# Altium PCB ControlBoard.PcbDoc (part 2 of 3)
Units mm, origin at the board's own origin, x right, y up, seen from the top; angles counter-clockwise.
Board outline 70 x 83 mm, 6 copper layers (Top, GNDT, VDD, Inn, GNDB, Bot), stack 1.629 mm thick; 293 components, 226 nets, 1120 pads, 500 vias.
Unrouted connection lines stored in the file: 43.
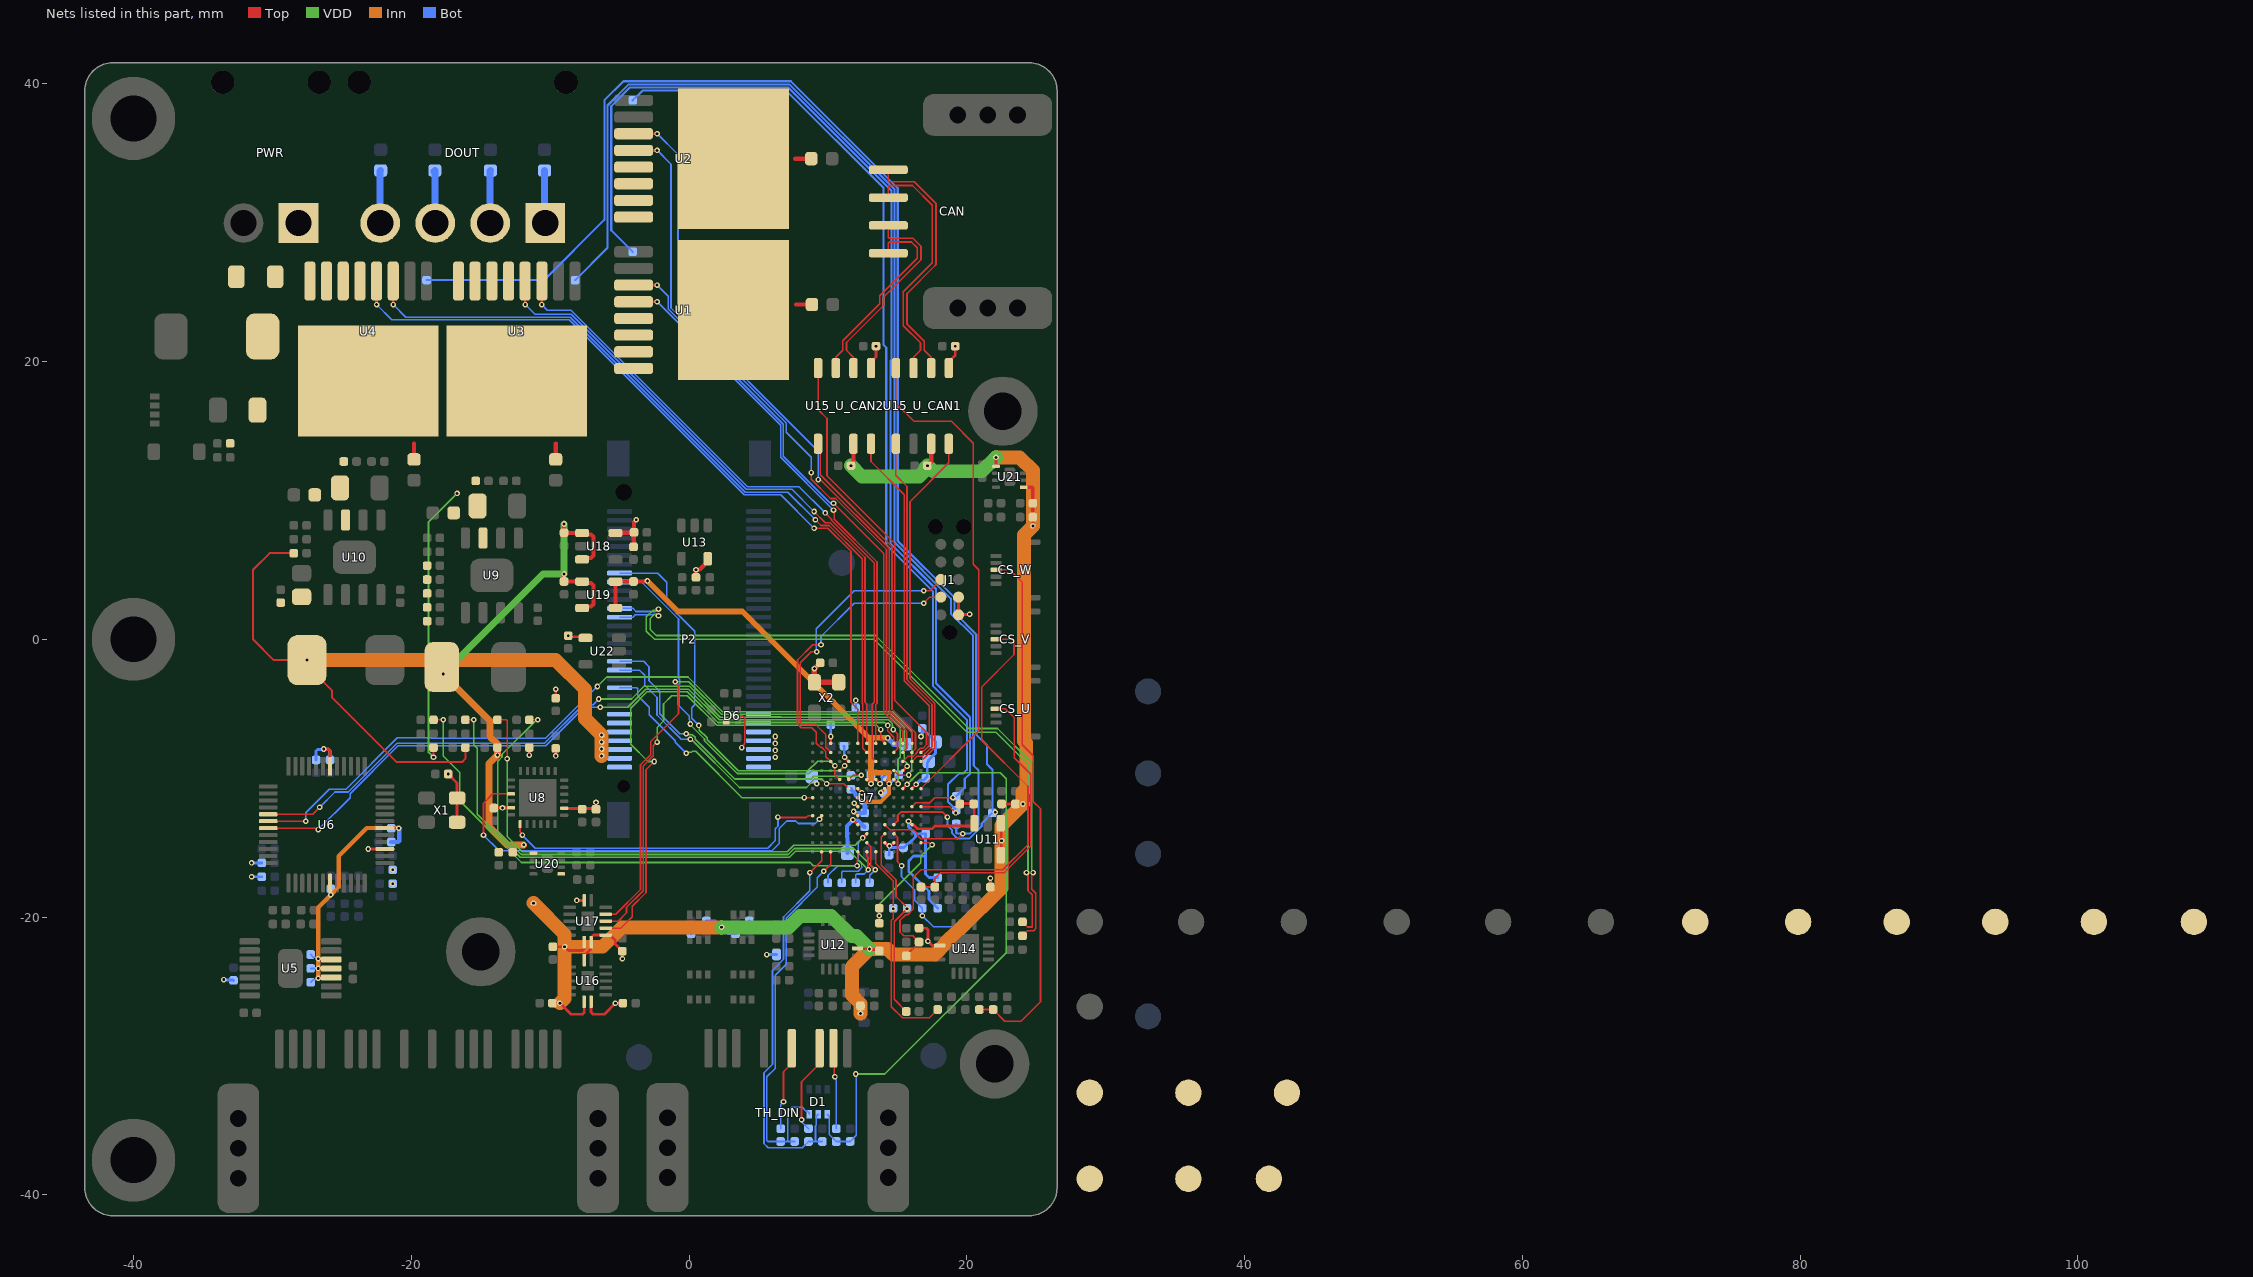
[diagram p6: the nets of this part, all layers, seen from the top]

## Part data (continued)
R8 R10 R12 R14 R51 R59 R89 R92 R95 R98: library part RES0402-2k-1%, "Res Thick Film 0402 2K Ohm 1% 1/16W 100ppm/C Molded SMD SMD Paper T/R", Case/Package=0402, Manufacturer=Vishay, Manufacturer Part Number=CRCW04022K00FKEE, Max Operating Temperature=155°C, Max Power Dissipation=63mW, Min Operating Temperature=-55°C, Supplier Part Number=541-CRCW04022K00FKEECT-ND, Temperature Coefficient=100ppm/°C, Tolerance=1%, Voltage Rating=50V, Category="Chip SMD Resistors", China RoHS=Non-Compliant, ComponentLink1Description=https://datasheet.octopart.com:443/CRCW04022K00FKEE-Vishay-datasheet-175423584.pdf?src-supplier=IHS, ComponentLink1URL=https://datasheet.octopart.com:443/CRCW04022K00FKEE-Vishay-datasheet-175423584.pdf?src-supplier=IHS, ComponentLink2Description=https://datasheet.octopart.com/D-CRCW-e3-Standard-Thick-Film-Chip-Resistors-Vishay-datasheet-family-64.pdf, ComponentLink2URL=https://datasheet.octopart.com/D-CRCW-e3-Standard-Thick-Film-Chip-Resistors-Vishay-datasheet-family-64.pdf, ComponentLink3Description=http://sigma.octopart.com:80/rohs_certificate/D-CRCW-e3-Standard-Thick-Film-Chip-Resistors-Vishay-family-102.pdf?src-supplier=Compliance+Statements, ComponentLink3URL=http://sigma.octopart.com:80/rohs_certificate/D-CRCW-e3-Standard-Thick-Film-Chip-Resistors-Vishay-family-102.pdf?src-supplier=Compliance+Statements, Composition="Thick Film", Contact Plating=Tin, Features="Automotive AEC-Q200", Height=350µm, Lead Free="Lead Free", Length=990.6µm, Lifecycle Status=Production, Mounting Technology="Surface Mount", Number of Terminals=2, Number of Terminations=2, Packaging="Tape & Reel", Power Dissipation=63mW, Power Rating=63mW, Pricing="1=0,1, 10=0,03, 25=0,0224, 50=0,018, 100=0,0148, 250=0,01156, 500=0,01056, 1000=0,0084, 5000=0,00637 (USD)", Radiation Hardening=No, REACH SVHC=Yes, Resistance=2kΩ, RoHS=Compliant, Stock=10445, Supplier=DigiKey, Supplier 1=DigiKey, Supplier Part Number 1=541-CRCW04022K00FKEECT-ND, Width=500µm, Working Voltage=50V
R17 R22 R23 R24 R25 R26 R27 R28 R29: library part RES0402-0-1%, "Zero Ohm Resistor, Jumper, 0402 [1005 Metric], Thick Film, 63 mW, 1 A, Surface Mount Device", Case/Package=0402, Manufacturer="Yageo Group", Manufacturer Part Number=RC0402JR-100RL, Max Operating Temperature=155°C, Min Operating Temperature=-55°C, Power Dissipation=62.5mW, Supplier Part Number=13-RC0402JR-100RLCT-ND, Tolerance=5%, Category="Chip SMD Resistors", China RoHS=Non-Compliant, ComponentLink1Description=https://datasheet.octopart.com:443/RC0402JR-100RL-Yageo-datasheet-182189538.pdf?src-supplier=IHS, ComponentLink1URL=https://datasheet.octopart.com:443/RC0402JR-100RL-Yageo-datasheet-182189538.pdf?src-supplier=IHS, ComponentLink2Description=https://datasheet.octopart.com:443/RC0402JR-100RL-Yageo-datasheet-164759695.pdf?src-supplier=Future+Electronics, ComponentLink2URL=https://datasheet.octopart.com:443/RC0402JR-100RL-Yageo-datasheet-164759695.pdf?src-supplier=Future+Electronics, ComponentLink3Description=https://datasheet.octopart.com:443/RC0402JR-100RL-Yageo-datasheet-141265859.pdf?src-supplier=Future+Electronics, ComponentLink3URL=https://datasheet.octopart.com:443/RC0402JR-100RL-Yageo-datasheet-141265859.pdf?src-supplier=Future+Electronics, ComponentLink4Description=https://datasheet.octopart.com:443/RC0402JR-100RL-Yageo-datasheet-148775077.pdf?src-supplier=element14+APAC, ComponentLink4URL=https://datasheet.octopart.com:443/RC0402JR-100RL-Yageo-datasheet-148775077.pdf?src-supplier=element14+APAC, ComponentLink5Description=https://datasheet.octopart.com/RC0402JR-100RL-Yageo-datasheet-73766026.pdf, ComponentLink5URL=https://datasheet.octopart.com/RC0402JR-100RL-Yageo-datasheet-73766026.pdf, ComponentLink6Description=http://sigma.octopart.com:80/rohs_statement/Yageo-company-2.pdf?src-supplier=Compliance+Statements, ComponentLink6URL=http://sigma.octopart.com:80/rohs_statement/Yageo-company-2.pdf?src-supplier=Compliance+Statements, ComponentLink7Description=http://sigma.octopart.com:80/conflict_mineral_statement/Yageo-company-3.pdf?src-supplier=Compliance+Statements, ComponentLink7URL=http://sigma.octopart.com:80/conflict_mineral_statement/Yageo-company-3.pdf?src-supplier=Compliance+Statements, Composition="Thick Film", Depth=500µm, Height=350µm, Length=1mm, Lifecycle Status=Production, Military Standard=Not, Mounting Technology="Surface Mount", Number of Terminals=2, Pricing="1=0,1, 10=0,007, 25=0,0052, 50=0,003, 100=0,0028 (USD)", REACH SVHC=Yes, Resistance=0Ω, RoHS=Compliant, Stock=16047, Supplier=DigiKey, Supplier 1=DigiKey, Supplier Part Number 1=13-RC0402JR-100RLCT-ND, Width=500µm
R20 R34 R35 R42 R48 R50 R52 R53 R54 R55 R56 R57 R60 R61 R62 R63 R64 R67 R68 R74 R75 R81 R82 R94 R97 R100 R102 R103 R104: library part RES0402-10k-1%, "Res Thick Film 0402 10K Ohm 1% 0.063W(1/16W) ±100ppm/C Pad SMD T/R Automotive AEC-Q200", Case Code (Imperial)=0402, Case Code (Metric)=1005, Manufacturer=Vishay, Manufacturer Part Number=CRCW040210K0FKEE, Max Operating Temperature=155°C, Max Power Dissipation=63mW, Min Operating Temperature=-55°C, Supplier Part Number=541-2954-1-ND, Temperature Coefficient=100ppm/°C, Tolerance=1%, Voltage Rating=50V, Case/Package=0402, Category="Chip SMD Resistors", China RoHS=Non-Compliant, ComponentLink1Description=https://datasheet.octopart.com:443/CRCW040210K0FKEE-Vishay-datasheet-175423584.pdf?src-supplier=IHS, ComponentLink1URL=https://datasheet.octopart.com:443/CRCW040210K0FKEE-Vishay-datasheet-175423584.pdf?src-supplier=IHS, ComponentLink2Description=https://datasheet.octopart.com:443/CRCW040210K0FKEE-Vishay-datasheet-62316122.pdf?src-supplier=Future+Electronics, ComponentLink2URL=https://datasheet.octopart.com:443/CRCW040210K0FKEE-Vishay-datasheet-62316122.pdf?src-supplier=Future+Electronics, ComponentLink3Description=http://sigma.octopart.com:80/rohs_statement/Vishay-company-15.pdf?src-supplier=Compliance+Statements, ComponentLink3URL=http://sigma.octopart.com:80/rohs_statement/Vishay-company-15.pdf?src-supplier=Compliance+Statements, Composition="Thick Film", Contact Plating=Tin, Depth=500µm, Features="Automotive AEC-Q200", Height=350µm, Lead Free="Lead Free", Length=990.6µm, Lifecycle Status=Production, Military Standard=Not, Mounting Technology="Surface Mount", Number of Terminals=2, Number of Terminations=2, Packaging="Tape & Reel", Power Dissipation=63mW, Power Rating=63mW, Pricing="1=0,1, 10=0,03, 25=0,0224, 50=0,018, 100=0,0148, 250=0,01156, 500=0,00974, 1000=0,00832, 5000=0,00637 (USD)", Radiation Hardening=No, REACH SVHC=Yes, Resistance=10kΩ, RoHS=Compliant, Schedule B="8533210045, 8533210045|8533210045|8533210045|8533210045|8533210045|8533210045|8533210045|8533210045|8533210045|8533210045|8533210045|8533210045|8533210045|8533210045|8533210045|8533210045|8533210045|8533210045|8533210045|8533210045|8533210045|8533210045|8533210045|85", Supplier=DigiKey, Supplier 1=DigiKey, Supplier Part Number 1=541-2954-1-ND, Voltage Rating (DC)=50V, Width=500µm, Working Voltage=50V
R38 R45 R58 R72 R79 R86: library part RES0402-100k-1%, "Res Thick Film 0402 100K Ohm 1% 0.063W(1/16W) ±100ppm/C Molded SMD Automotive Paper T/R", Case/Package=0402, Manufacturer=Vishay, Manufacturer Part Number=CRCW0402100KFKEE, Max Operating Temperature=155°C, Max Power Dissipation=63mW, Min Operating Temperature=-55°C, Supplier Part Number=541-CRCW0402100KFKEECT-ND, Temperature Coefficient=100ppm/°C, Tolerance=1%, Voltage Rating=50V, Category="Chip SMD Resistors", China RoHS=Non-Compliant, ComponentLink1Description=https://datasheet.octopart.com:443/CRCW0402100KFKEE-Vishay-datasheet-175423584.pdf?src-supplier=IHS, ComponentLink1URL=https://datasheet.octopart.com:443/CRCW0402100KFKEE-Vishay-datasheet-175423584.pdf?src-supplier=IHS, ComponentLink2Description=https://datasheet.octopart.com:443/CRCW0402100KFKEE-Vishay-datasheet-190005712.pdf?src-supplier=TME, ComponentLink2URL=https://datasheet.octopart.com:443/CRCW0402100KFKEE-Vishay-datasheet-190005712.pdf?src-supplier=TME, ComponentLink3Description=https://datasheet.octopart.com:443/CRCW0402100KFKEE-Vishay-datasheet-62316122.pdf?src-supplier=Future+Electronics, ComponentLink3URL=https://datasheet.octopart.com:443/CRCW0402100KFKEE-Vishay-datasheet-62316122.pdf?src-supplier=Future+Electronics, ComponentLink4Description=https://datasheet.octopart.com/D-CRCW-e3-Standard-Thick-Film-Chip-Resistors-Vishay-datasheet-family-64.pdf, ComponentLink4URL=https://datasheet.octopart.com/D-CRCW-e3-Standard-Thick-Film-Chip-Resistors-Vishay-datasheet-family-64.pdf, ComponentLink5Description=http://sigma.octopart.com:80/rohs_certificate/D-CRCW-e3-Standard-Thick-Film-Chip-Resistors-Vishay-family-102.pdf?src-supplier=Compliance+Statements, ComponentLink5URL=http://sigma.octopart.com:80/rohs_certificate/D-CRCW-e3-Standard-Thick-Film-Chip-Resistors-Vishay-family-102.pdf?src-supplier=Compliance+Statements, Composition="Thick Film", Contact Plating=Tin, Depth=500µm, Features="Automotive AEC-Q200", Height=350µm, Lead Free="Lead Free", Length=990.6µm, Lifecycle Status=Production, Military Standard=Not, Mounting Technology="Surface Mount", Number of Terminals=2, Number of Terminations=2, Packaging="Tape & Reel", Power Dissipation=63mW, Power Rating=63mW, Pricing="1=0,1, 10=0,03, 25=0,0224, 50=0,018, 100=0,0148, 250=0,01156, 500=0,00974, 1000=0,00832, 5000=0,00606 (USD)", Radiation Hardening=No, REACH SVHC=Yes, Resistance=100kΩ, RoHS=Compliant, Schedule B="8533210045, 8533210045|8533210045|8533210045|8533210045|8533210045|8533210045|8533210045|8533210045|8533210045|8533210045|8533210045|8533210045|8533210045|8533210045|8533210045|8533210045|8533210045|8533210045|8533210045|8533210045|8533210045|8533210045|8533210045|85", Stock=14497, Supplier=DigiKey, Supplier 1=DigiKey, Supplier Part Number 1=541-CRCW0402100KFKEECT-ND, Voltage Rating (DC)=50V, Width=500µm, Working Voltage=50V
R39: library part RES0402-64.9k-1%, "Res Thick Film 0402 64.9K Ohm 1% 0.1W(1/10W) ±100ppm/C Pad SMD T/R Automotive AEC-Q200", Case Code (Imperial)=0402, Case Code (Metric)=1005, Manufacturer="KOA Speer", Manufacturer Part Number=RK73H1ETTP6492F, Max Operating Temperature=155°C, Min Operating Temperature=-55°C, Power Dissipation=100mW, Power Rating=63mW, Supplier Part Number=2019-RK73H1ETTP6492FCT-ND, Temperature Coefficient=100ppm/°C, Tolerance=1%, Voltage Rating=50V, Working Voltage=75V, Case/Package=0402, Category="Chip SMD Resistors", China RoHS=Non-Compliant, ComponentLink1Description=https://datasheet.octopart.com:443/RK73H1ETTP6492F-KOA-Speer-datasheet-181956035.pdf?src-supplier=IHS, ComponentLink1URL=https://datasheet.octopart.com:443/RK73H1ETTP6492F-KOA-Speer-datasheet-181956035.pdf?src-supplier=IHS, ComponentLink2Description=https://datasheet.octopart.com:443/RK73H1ETTP6492F-KOA-Speer-datasheet-11590619.pdf?src-supplier=Upverter, ComponentLink2URL=https://datasheet.octopart.com:443/RK73H1ETTP6492F-KOA-Speer-datasheet-11590619.pdf?src-supplier=Upverter, ComponentLink3Description=https://datasheet.octopart.com:443/RK73H1ETTP6492F-KOA-Speer-datasheet-149653815.pdf?src-supplier=element14+APAC, ComponentLink3URL=https://datasheet.octopart.com:443/RK73H1ETTP6492F-KOA-Speer-datasheet-149653815.pdf?src-supplier=element14+APAC, ComponentLink4Description=https://datasheet.octopart.com/RK73H-%7C-Flat-Chip-Resistors-%28Precision-Grade%29-KOA-Speer-datasheet-family-85.pdf, ComponentLink4URL=https://datasheet.octopart.com/RK73H-%7C-Flat-Chip-Resistors-%28Precision-Grade%29-KOA-Speer-datasheet-family-85.pdf, ComponentLink5Description=https://datasheet.octopart.com:443/RK73H1ETTP6492F-KOA-Speer-datasheet-5377299.pdf?src-supplier=Garrett, ComponentLink5URL=https://datasheet.octopart.com:443/RK73H1ETTP6492F-KOA-Speer-datasheet-5377299.pdf?src-supplier=Garrett, ComponentLink6Description=https://datasheet.octopart.com:443/RK73H1ETTP6492F-KOA-Speer-datasheet-148194.pdf?src-supplier=Garrett, ComponentLink6URL=https://datasheet.octopart.com:443/RK73H1ETTP6492F-KOA-Speer-datasheet-148194.pdf?src-supplier=Garrett, ComponentLink7Description=https://datasheet.octopart.com:443/RK73H1ETTP6492F-KOA-Speer-datasheet-109211.pdf?src-supplier=Garrett, ComponentLink7URL=https://datasheet.octopart.com:443/RK73H1ETTP6492F-KOA-Speer-datasheet-109211.pdf?src-supplier=Garrett, ComponentLink8Description=http://sigma.octopart.com:80/rohs_certificate/RK73H-%7C-Flat-Chip-Resistors-%28Precision-Grade%29-KOA-Speer-family-91.pdf?src-supplier=Compliance+Statements, ComponentLink8URL=http://sigma.octopart.com:80/rohs_certificate/RK73H-%7C-Flat-Chip-Resistors-%28Precision-Grade%29-KOA-Speer-family-91.pdf?src-supplier=Compliance+Statements, Composition="Thick Film", Depth=500µm, Height=350µm, Lead Free="Lead Free", Length=1mm, Lifecycle Status=Production, Military Standard=Not, Mounting Technology="Surface Mount", Number of Terminals=2, Pricing="1=0,1, 10=0,027, 25=0,0196, 50=0,0158, 100=0,0129, 250=0,01004, 500=0,0084, 1000=0,00713, 5000=0,00544 (USD)", REACH SVHC=Yes, Resistance=64.9kΩ, RoHS=Compliant, Schedule B="8533210045, 8533210045|8533210045|8533210045|8533210045|8533210045", Stock=44078, Supplier=DigiKey, Supplier 1=DigiKey, Supplier Part Number 1=2019-RK73H1ETTP6492FCT-ND, Termination=SMD/SMT, Voltage Rating (DC)=50V, Width=500µm
R41: library part RES0402-24.9k-1%, "Res Thick Film 0402 24.9K Ohm 1% 0.063W(1/16W) ±100ppm/C Pad SMD T/R", Case Code (Imperial)=0402, Case Code (Metric)=1005, Manufacturer=Bourns, Manufacturer Part Number=CR0402-FX-2492GLF, Max Operating Temperature=155°C, Min Operating Temperature=-55°C, Power Dissipation=62.5mW, Supplier Part Number=CR0402-FX-2492GLFCT-ND, Temperature Coefficient=100ppm/°C, Tolerance=1%, Voltage Rating=50V, Case/Package=0402, Category="Chip SMD Resistors", China RoHS=Non-Compliant, ComponentLink1Description=https://datasheet.octopart.com:443/CR0402-FX-2492GLF-Bourns-datasheet-159578630.pdf?src-supplier=IHS, ComponentLink1URL=https://datasheet.octopart.com:443/CR0402-FX-2492GLF-Bourns-datasheet-159578630.pdf?src-supplier=IHS, ComponentLink2Description=https://datasheet.octopart.com:443/CR0402-FX-2492GLF-Bourns-datasheet-181955239.pdf?src-supplier=IHS, ComponentLink2URL=https://datasheet.octopart.com:443/CR0402-FX-2492GLF-Bourns-datasheet-181955239.pdf?src-supplier=IHS, ComponentLink3Description=https://datasheet.octopart.com:443/CR0402-FX-2492GLF-Bourns-datasheet-154729663.pdf?src-supplier=Electro+Sonic, ComponentLink3URL=https://datasheet.octopart.com:443/CR0402-FX-2492GLF-Bourns-datasheet-154729663.pdf?src-supplier=Electro+Sonic, ComponentLink4Description=https://datasheet.octopart.com/CR0402-FX-2492GLF-Bourns-datasheet-8723995.pdf, ComponentLink4URL=https://datasheet.octopart.com/CR0402-FX-2492GLF-Bourns-datasheet-8723995.pdf, ComponentLink5Description=https://datasheet.octopart.com:443/CR0402-FX-2492GLF-Bourns-datasheet-140567134.pdf?src-supplier=Arrow.cn, ComponentLink5URL=https://datasheet.octopart.com:443/CR0402-FX-2492GLF-Bourns-datasheet-140567134.pdf?src-supplier=Arrow.cn, ComponentLink6Description=http://sigma.octopart.com:80/conflict_mineral_statement/Bourns-company-36.pdf?src-supplier=Compliance+Statements, ComponentLink6URL=http://sigma.octopart.com:80/conflict_mineral_statement/Bourns-company-36.pdf?src-supplier=Compliance+Statements, Composition="Thick Film", Contact Plating=Tin, Depth=500µm, Height=320µm, Lifecycle Status=Production, Military Standard=Not, Mounting Technology="Surface Mount", Number of Terminals=2, Power Rating=62.5mW, Pricing="1=0,1, 10=0,014, 25=0,010, 50=0,0058, 100=0,0041, 250=0,00272, 5000=0,00211 (USD)", Radiation Hardening=No, REACH SVHC=Yes, Resistance=24.9kΩ, RoHS=Compliant, Schedule B="8533210045, 8533210045|8533210045|8533210045|8533210045|8533210045", Stock=1453, Supplier=DigiKey, Supplier 1=DigiKey, Supplier Part Number 1=CR0402-FX-2492GLFCT-ND, Termination=SMD/SMT, Width=500µm, Working Voltage=50V
R46 R110: library part RES0402-52.3k-1%, "Fixed Resistor, Metal Glaze/thick Film, 0.1W, 52300ohm, 75V, 0.5% +/-Tol, 100ppm/Cel, Surface Mount, 0402", Case/Package=0402, Manufacturer="KOA Speer", Manufacturer Part Number=RK73H1ETTP5232D, Max Operating Temperature=155°C, Min Operating Temperature=-55°C, Power Dissipation=100mW, Supplier Part Number=2019-RK73H1ETTP5232DTR-ND, Temperature Coefficient=100ppm/°C, Tolerance=0.5%, Voltage Rating=75V, Category="Chip SMD Resistors", China RoHS=Non-Compliant, ComponentLink1Description=https://datasheet.octopart.com:443/RK73H1ETTP5232D-KOA-Speer-datasheet-181956035.pdf?src-supplier=IHS, ComponentLink1URL=https://datasheet.octopart.com:443/RK73H1ETTP5232D-KOA-Speer-datasheet-181956035.pdf?src-supplier=IHS, ComponentLink2Description=https://sigma.octopart.com:443/138820520/technical_drawing/KOA-Speer-RK73H1ETTP5232D.pdf?src-supplier=Upverter, ComponentLink2URL=https://sigma.octopart.com:443/138820520/technical_drawing/KOA-Speer-RK73H1ETTP5232D.pdf?src-supplier=Upverter, ComponentLink3Description=https://datasheet.octopart.com:443/RK73H1ETTP5232D-KOA-Speer-datasheet-141253609.pdf?src-supplier=Upverter, ComponentLink3URL=https://datasheet.octopart.com:443/RK73H1ETTP5232D-KOA-Speer-datasheet-141253609.pdf?src-supplier=Upverter, ComponentLink4Description=https://datasheet.octopart.com/RK73H1ETTP5232D-KOA-Speer-datasheet-11590619.pdf, ComponentLink4URL=https://datasheet.octopart.com/RK73H1ETTP5232D-KOA-Speer-datasheet-11590619.pdf, ComponentLink5Description=http://sigma.octopart.com:80/rohs_statement/KOA-Speer-company-17.pdf?src-supplier=Compliance+Statements, ComponentLink5URL=http://sigma.octopart.com:80/rohs_statement/KOA-Speer-company-17.pdf?src-supplier=Compliance+Statements, Composition="Thick Film", Height=350µm, Lead Free="Lead Free", Lifecycle Status=Production, Mounting Technology="Surface Mount", Number of Terminals=2, Power Rating=100mW, Pricing="10000=0,03493 (USD)", REACH SVHC=Yes, Resistance=52.3kΩ, RoHS=Compliant, Supplier=DigiKey, Supplier 1=DigiKey, Supplier Part Number 1=2019-RK73H1ETTP5232DTR-ND, Width=500µm, Working Voltage=75V
R47: library part RES0402-9.1k-1%, "Res Thick Film 0402 9.1K Ohm 1% 0.063W(1/16W) ±100ppm/C Pad SMD T/R Automotive AEC-Q200", Case Code (Imperial)=0402, Manufacturer=Vishay, Manufacturer Part Number=CRCW04029K10FKED, Max Operating Temperature=155°C, Max Power Dissipation=63mW, Min Operating Temperature=-55°C, Supplier Part Number=541-9.10KLCT-ND, Temperature Coefficient=100ppm/°C, Tolerance=1%, Voltage Rating=50V, Case/Package=0402, Category="Chip SMD Resistors", China RoHS=Non-Compliant, ComponentLink1Description=https://datasheet.octopart.com:443/CRCW04029K10FKED-Vishay-datasheet-175423584.pdf?src-supplier=IHS, ComponentLink1URL=https://datasheet.octopart.com:443/CRCW04029K10FKED-Vishay-datasheet-175423584.pdf?src-supplier=IHS, ComponentLink2Description=https://datasheet.octopart.com:443/CRCW04029K10FKED-Vishay-datasheet-83961561.pdf?src-supplier=Newark, ComponentLink2URL=https://datasheet.octopart.com:443/CRCW04029K10FKED-Vishay-datasheet-83961561.pdf?src-supplier=Newark, ComponentLink3Description=https://datasheet.octopart.com:443/CRCW04029K10FKED-Vishay-datasheet-66077789.pdf?src-supplier=Newark, ComponentLink3URL=https://datasheet.octopart.com:443/CRCW04029K10FKED-Vishay-datasheet-66077789.pdf?src-supplier=Newark, ComponentLink4Description=https://datasheet.octopart.com:443/CRCW04029K10FKED-Vishay-datasheet-11761042.pdf?src-supplier=Newark, ComponentLink4URL=https://datasheet.octopart.com:443/CRCW04029K10FKED-Vishay-datasheet-11761042.pdf?src-supplier=Newark, ComponentLink5Description=https://datasheet.octopart.com:443/CRCW04029K10FKED-Vishay-datasheet-11516975.pdf?src-supplier=Newark, ComponentLink5URL=https://datasheet.octopart.com:443/CRCW04029K10FKED-Vishay-datasheet-11516975.pdf?src-supplier=Newark, ComponentLink6Description=https://datasheet.octopart.com:443/CRCW04029K10FKED.-Vishay-datasheet-183883877.pdf?src-supplier=Newark, ComponentLink6URL=https://datasheet.octopart.com:443/CRCW04029K10FKED.-Vishay-datasheet-183883877.pdf?src-supplier=Newark, ComponentLink7Description=https://datasheet.octopart.com:443/CRCW04029K10FKED-Vishay-datasheet-159614168.pdf?src-supplier=Newark, ComponentLink7URL=https://datasheet.octopart.com:443/CRCW04029K10FKED-Vishay-datasheet-159614168.pdf?src-supplier=Newark, ComponentLink8Description=https://datasheet.octopart.com:443/CRCW04029K10FKED-Vishay-datasheet-41302739.pdf?src-supplier=Newark, ComponentLink8URL=https://datasheet.octopart.com:443/CRCW04029K10FKED-Vishay-datasheet-41302739.pdf?src-supplier=Newark, ComponentLink9Description=https://datasheet.octopart.com:443/CRCW04029K10FKED-Vishay-datasheet-21226360.pdf?src-supplier=Newark, ComponentLink9URL=https://datasheet.octopart.com:443/CRCW04029K10FKED-Vishay-datasheet-21226360.pdf?src-supplier=Newark, ComponentLink10Description=https://datasheet.octopart.com:443/CRCW04029K10FKED-Vishay-datasheet-62317933.pdf?src-supplier=element14+APAC, ComponentLink10URL=https://datasheet.octopart.com:443/CRCW04029K10FKED-Vishay-datasheet-62317933.pdf?src-supplier=element14+APAC, ComponentLink11Description=https://datasheet.octopart.com:443/CRCW04029K10FKED.-Vishay-datasheet-78776209.pdf?src-supplier=element14+APAC, ComponentLink11URL=https://datasheet.octopart.com:443/CRCW04029K10FKED.-Vishay-datasheet-78776209.pdf?src-supplier=element14+APAC, ComponentLink12Description=https://datasheet.octopart.com:443/CRCW04029K10FKED-Vishay-datasheet-14722531.pdf?src-supplier=element14+APAC, ComponentLink12URL=https://datasheet.octopart.com:443/CRCW04029K10FKED-Vishay-datasheet-14722531.pdf?src-supplier=element14+APAC, ComponentLink13Description=https://datasheet.octopart.com:443/CRCW04029K10FKED-Vishay-datasheet-31669108.pdf?src-supplier=element14+APAC, ComponentLink13URL=https://datasheet.octopart.com:443/CRCW04029K10FKED-Vishay-datasheet-31669108.pdf?src-supplier=element14+APAC, ComponentLink14Description=https://datasheet.octopart.com:443/CRCW04029K10FKED-Vishay-datasheet-41195454.pdf?src-supplier=Farnell, ComponentLink14URL=https://datasheet.octopart.com:443/CRCW04029K10FKED-Vishay-datasheet-41195454.pdf?src-supplier=Farnell, ComponentLink15Description=https://datasheet.octopart.com:443/CRCW04029K10FKED-Vishay-datasheet-62316122.pdf?src-supplier=Future+Electronics, ComponentLink15URL=https://datasheet.octopart.com:443/CRCW04029K10FKED-Vishay-datasheet-62316122.pdf?src-supplier=Future+Electronics, ComponentLink16Description=https://datasheet.octopart.com:443/CRCW04029K10FKED-Vishay-datasheet-12519820.pdf?src-supplier=Future+Electronics, ComponentLink16URL=https://datasheet.octopart.com:443/CRCW04029K10FKED-Vishay-datasheet-12519820.pdf?src-supplier=Future+Electronics, ComponentLink17Description=https://datasheet.octopart.com:443/CRCW04029K10FKED-Vishay-Dale-datasheet-47688880.pdf?src-supplier=RS+(Formerly+Allied+Electronics), ComponentLink17URL=https://datasheet.octopart.com:443/CRCW04029K10FKED-Vishay-Dale-datasheet-47688880.pdf?src-supplier=RS+(Formerly+Allied+Electronics), ComponentLink18Description=https://datasheet.octopart.com/D-CRCW-e3-Standard-Thick-Film-Chip-Resistors-Vishay-datasheet-family-64.pdf, ComponentLink18URL=https://datasheet.octopart.com/D-CRCW-e3-Standard-Thick-Film-Chip-Resistors-Vishay-datasheet-family-64.pdf, ComponentLink19Description=https://datasheet.octopart.com:443/CRCW04029K10FKED-Vishay-datasheet-11540273.pdf?src-supplier=Arrow+Electronics, ComponentLink19URL=https://datasheet.octopart.com:443/CRCW04029K10FKED-Vishay-datasheet-11540273.pdf?src-supplier=Arrow+Electronics, ComponentLink20Description=https://datasheet.octopart.com:443/CRCW04029K10FKED-Vishay-datasheet-8445837.pdf?src-supplier=element14, ComponentLink20URL=https://datasheet.octopart.com:443/CRCW04029K10FKED-Vishay-datasheet-8445837.pdf?src-supplier=element14, ComponentLink21Description=http://sigma.octopart.com:80/rohs_certificate/D-CRCW-e3-Standard-Thick-Film-Chip-Resistors-Vishay-family-102.pdf?src-supplier=Compliance+Statements, ComponentLink21URL=http://sigma.octopart.com:80/rohs_certificate/D-CRCW-e3-Standard-Thick-Film-Chip-Resistors-Vishay-family-102.pdf?src-supplier=Compliance+Statements, Composition="Thick Film", Contact Plating=Tin, Depth=500µm, Features="Automotive AEC-Q200", Height=350µm, Lead Free="Lead Free", Length=1mm, Lifecycle Status=Production, Military Standard=Not, Mounting Technology="Surface Mount", Number of Terminals=2, Number of Terminations=2, Packaging="Cut Tape", Pins=2, Power Dissipation=63mW, Power Rating=63mW, Pricing="1=0,1, 10=0,03, 25=0,0224, 50=0,018, 100=0,0148, 250=0,01156, 500=0,00974, 1000=0,00832, 5000=0,00637 (USD)", Radiation Hardening=No, REACH SVHC=Yes, Resistance=9.1kΩ, RoHS=Compliant, Schedule B=8533210045, Stock=19718, Supplier=DigiKey, Supplier 1=DigiKey, Supplier Part Number 1=541-9.10KLCT-ND, Termination=SMD/SMT, Voltage Rating (DC)=50V, Weight=652.039032µg, Width=500µm, Working Voltage=50V
R70 R77 R84 R96 R99: library part RES0402-20k-1%, "Res Thick Film 0402 20K Ohm 1% 0.063W(1/16W) ±100ppm/C Pad SMD T/R", Case/Package=0402, Manufacturer=Vishay, Manufacturer Part Number=CRCW040220K0FKEDC, Max Operating Temperature=155°C, Min Operating Temperature=-55°C, Power Dissipation=63mW, Supplier Part Number=541-3969-1-ND, Temperature Coefficient=100ppm/°C, Tolerance=1%, Voltage Rating=50V, Category="Chip SMD Resistors", China RoHS=Non-Compliant, ComponentLink1Description=https://datasheet.octopart.com:443/CRCW040220K0FKEDC-Vishay-datasheet-102570912.pdf?src-supplier=Upverter, ComponentLink1URL=https://datasheet.octopart.com:443/CRCW040220K0FKEDC-Vishay-datasheet-102570912.pdf?src-supplier=Upverter, ComponentLink2Description=https://datasheet.octopart.com:443/CRCW040220K0FKEDC-Vishay-datasheet-175423585.pdf?src-supplier=IHS, ComponentLink2URL=https://datasheet.octopart.com:443/CRCW040220K0FKEDC-Vishay-datasheet-175423585.pdf?src-supplier=IHS, ComponentLink3Description=https://datasheet.octopart.com:443/CRCW040220K0FKEDC-Vishay-datasheet-100063072.pdf?src-supplier=Future+Electronics, ComponentLink3URL=https://datasheet.octopart.com:443/CRCW040220K0FKEDC-Vishay-datasheet-100063072.pdf?src-supplier=Future+Electronics, ComponentLink4Description=https://datasheet.octopart.com:443/CRCW040220K0FKEDC-Vishay-datasheet-62316122.pdf?src-supplier=Future+Electronics, ComponentLink4URL=https://datasheet.octopart.com:443/CRCW040220K0FKEDC-Vishay-datasheet-62316122.pdf?src-supplier=Future+Electronics, ComponentLink5Description=http://sigma.octopart.com:80/rohs_statement/Vishay-company-15.pdf?src-supplier=Compliance+Statements, ComponentLink5URL=http://sigma.octopart.com:80/rohs_statement/Vishay-company-15.pdf?src-supplier=Compliance+Statements, Composition="Thick Film", Contact Plating=Tin, Height=300µm, Lead Free="Lead Free", Length=1mm, Lifecycle Status=Production, Mounting Technology="Surface Mount", Number of Terminals=2, Power Rating=63mW, Pricing="1=0,1, 10=0,028, 25=0,0208, 50=0,0168, 100=0,0138, 250=0,01072, 500=0,009, 1000=0,00766, 5000=0,00554 (USD)", REACH SVHC=Yes, Resistance=20kΩ, RoHS=Compliant, Schedule B="8533210045, 8533210045|8533210045|8533210045|8533210045|8533210045", Stock=7862, Supplier=DigiKey, Supplier 1=DigiKey, Supplier Part Number 1=541-3969-1-ND, Termination=Wraparound, Width=500µm, Working Voltage=50V
R93: library part RES0402-47k-1%, "Res Thick Film 0402 47K Ohm 1% 0.063W(1/16W) ±100ppm/C Pad SMD T/R", Case/Package=0402, Manufacturer=Vishay, Manufacturer Part Number=CRCW040247K0FKEDC, Max Operating Temperature=155°C, Min Operating Temperature=-55°C, Power Dissipation=63mW, Supplier Part Number=541-3966-1-ND, Temperature Coefficient=100ppm/°C, Tolerance=1%, Voltage Rating=50V, Category="Chip SMD Resistors", China RoHS=Non-Compliant, ComponentLink1Description=https://datasheet.octopart.com:443/CRCW040247K0FKEDC-Vishay-datasheet-102570912.pdf?src-supplier=Future+Electronics, ComponentLink1URL=https://datasheet.octopart.com:443/CRCW040247K0FKEDC-Vishay-datasheet-102570912.pdf?src-supplier=Future+Electronics, ComponentLink2Description=https://datasheet.octopart.com:443/CRCW040247K0FKEDC-Vishay-datasheet-62316122.pdf?src-supplier=Future+Electronics, ComponentLink2URL=https://datasheet.octopart.com:443/CRCW040247K0FKEDC-Vishay-datasheet-62316122.pdf?src-supplier=Future+Electronics, ComponentLink3Description=https://datasheet.octopart.com:443/CRCW040247K0FKEDC-Vishay-datasheet-175423585.pdf?src-supplier=IHS, ComponentLink3URL=https://datasheet.octopart.com:443/CRCW040247K0FKEDC-Vishay-datasheet-175423585.pdf?src-supplier=IHS, ComponentLink4Description=http://sigma.octopart.com:80/rohs_statement/Vishay-company-15.pdf?src-supplier=Compliance+Statements, ComponentLink4URL=http://sigma.octopart.com:80/rohs_statement/Vishay-company-15.pdf?src-supplier=Compliance+Statements, Composition="Thick Film", Contact Plating=Tin, Height=300µm, Lead Free="Lead Free", Length=1mm, Lifecycle Status=Production, Mounting Technology="Surface Mount", Number of Terminals=2, Power Rating=63mW, Pricing="1=0,1, 10=0,028, 25=0,0208, 50=0,0168, 100=0,0138, 250=0,01072, 500=0,009, 1000=0,00766, 5000=0,00554 (USD)", REACH SVHC=Yes, Resistance=47kΩ, RoHS=Compliant, Schedule B="8533210045, 8533210045|8533210045|8533210045|8533210045|8533210045|8533210045|8533210045|8533210045|8533210045|8533210045|8533210045|8533210045|8533210045|8533210045|8533210045|8533210045|8533210045|8533210045|8533210045|8533210045|8533210045|8533210045|8533210045|85", Stock=190917, Supplier=DigiKey, Supplier 1=DigiKey, Supplier Part Number 1=541-3966-1-ND, Termination=Wraparound, Width=500µm, Working Voltage=50V
R105: library part RES0402-680-1%, "Res Thick Film 0402 680 Ohm 1% 0.063W(1/16W) ±100ppm/C Pad SMD T/R", Case/Package=0402, Manufacturer=Vishay, Manufacturer Part Number=CRCW0402680RFKEDC, Max Operating Temperature=155°C, Min Operating Temperature=-55°C, Power Dissipation=63mW, Supplier Part Number=541-4073-1-ND, Temperature Coefficient=100ppm/°C, Tolerance=1%, Working Voltage=50V, Category="Chip SMD Resistors", China RoHS=Non-Compliant, ComponentLink1Description=https://datasheet.octopart.com:443/CRCW0402680RFKEDC-Vishay-datasheet-175423585.pdf?src-supplier=IHS, ComponentLink1URL=https://datasheet.octopart.com:443/CRCW0402680RFKEDC-Vishay-datasheet-175423585.pdf?src-supplier=IHS, ComponentLink2Description=https://datasheet.octopart.com:443/CRCW0402680RFKEDC-Vishay-datasheet-102570912.pdf?src-supplier=Future+Electronics, ComponentLink2URL=https://datasheet.octopart.com:443/CRCW0402680RFKEDC-Vishay-datasheet-102570912.pdf?src-supplier=Future+Electronics, ComponentLink3Description=https://datasheet.octopart.com:443/CRCW0402680RFKEDC-Vishay-datasheet-62316122.pdf?src-supplier=Future+Electronics, ComponentLink3URL=https://datasheet.octopart.com:443/CRCW0402680RFKEDC-Vishay-datasheet-62316122.pdf?src-supplier=Future+Electronics, ComponentLink4Description=http://sigma.octopart.com:80/rohs_statement/Vishay-company-15.pdf?src-supplier=Compliance+Statements, ComponentLink4URL=http://sigma.octopart.com:80/rohs_statement/Vishay-company-15.pdf?src-supplier=Compliance+Statements, Height=300µm, Lead Free="Lead Free", Lifecycle Status=Production, Mounting Technology="Surface Mount", Number of Terminals=2, Power Rating=63mW, Pricing="1=0,1, 10=0,028, 25=0,0208, 50=0,0168, 100=0,0138, 250=0,01072, 500=0,009, 1000=0,00766, 5000=0,00554 (USD)", REACH SVHC=Yes, Resistance=680Ω, RoHS=Compliant, Schedule B="8533210045, 8533210045|8533210045|8533210045|8533210045|8533210045", Stock=206901, Supplier=DigiKey, Supplier 1=DigiKey, Supplier Part Number 1=541-4073-1-ND, Width=500µm